# KiCad board EBAZ4205.kicad_pcb (continued)
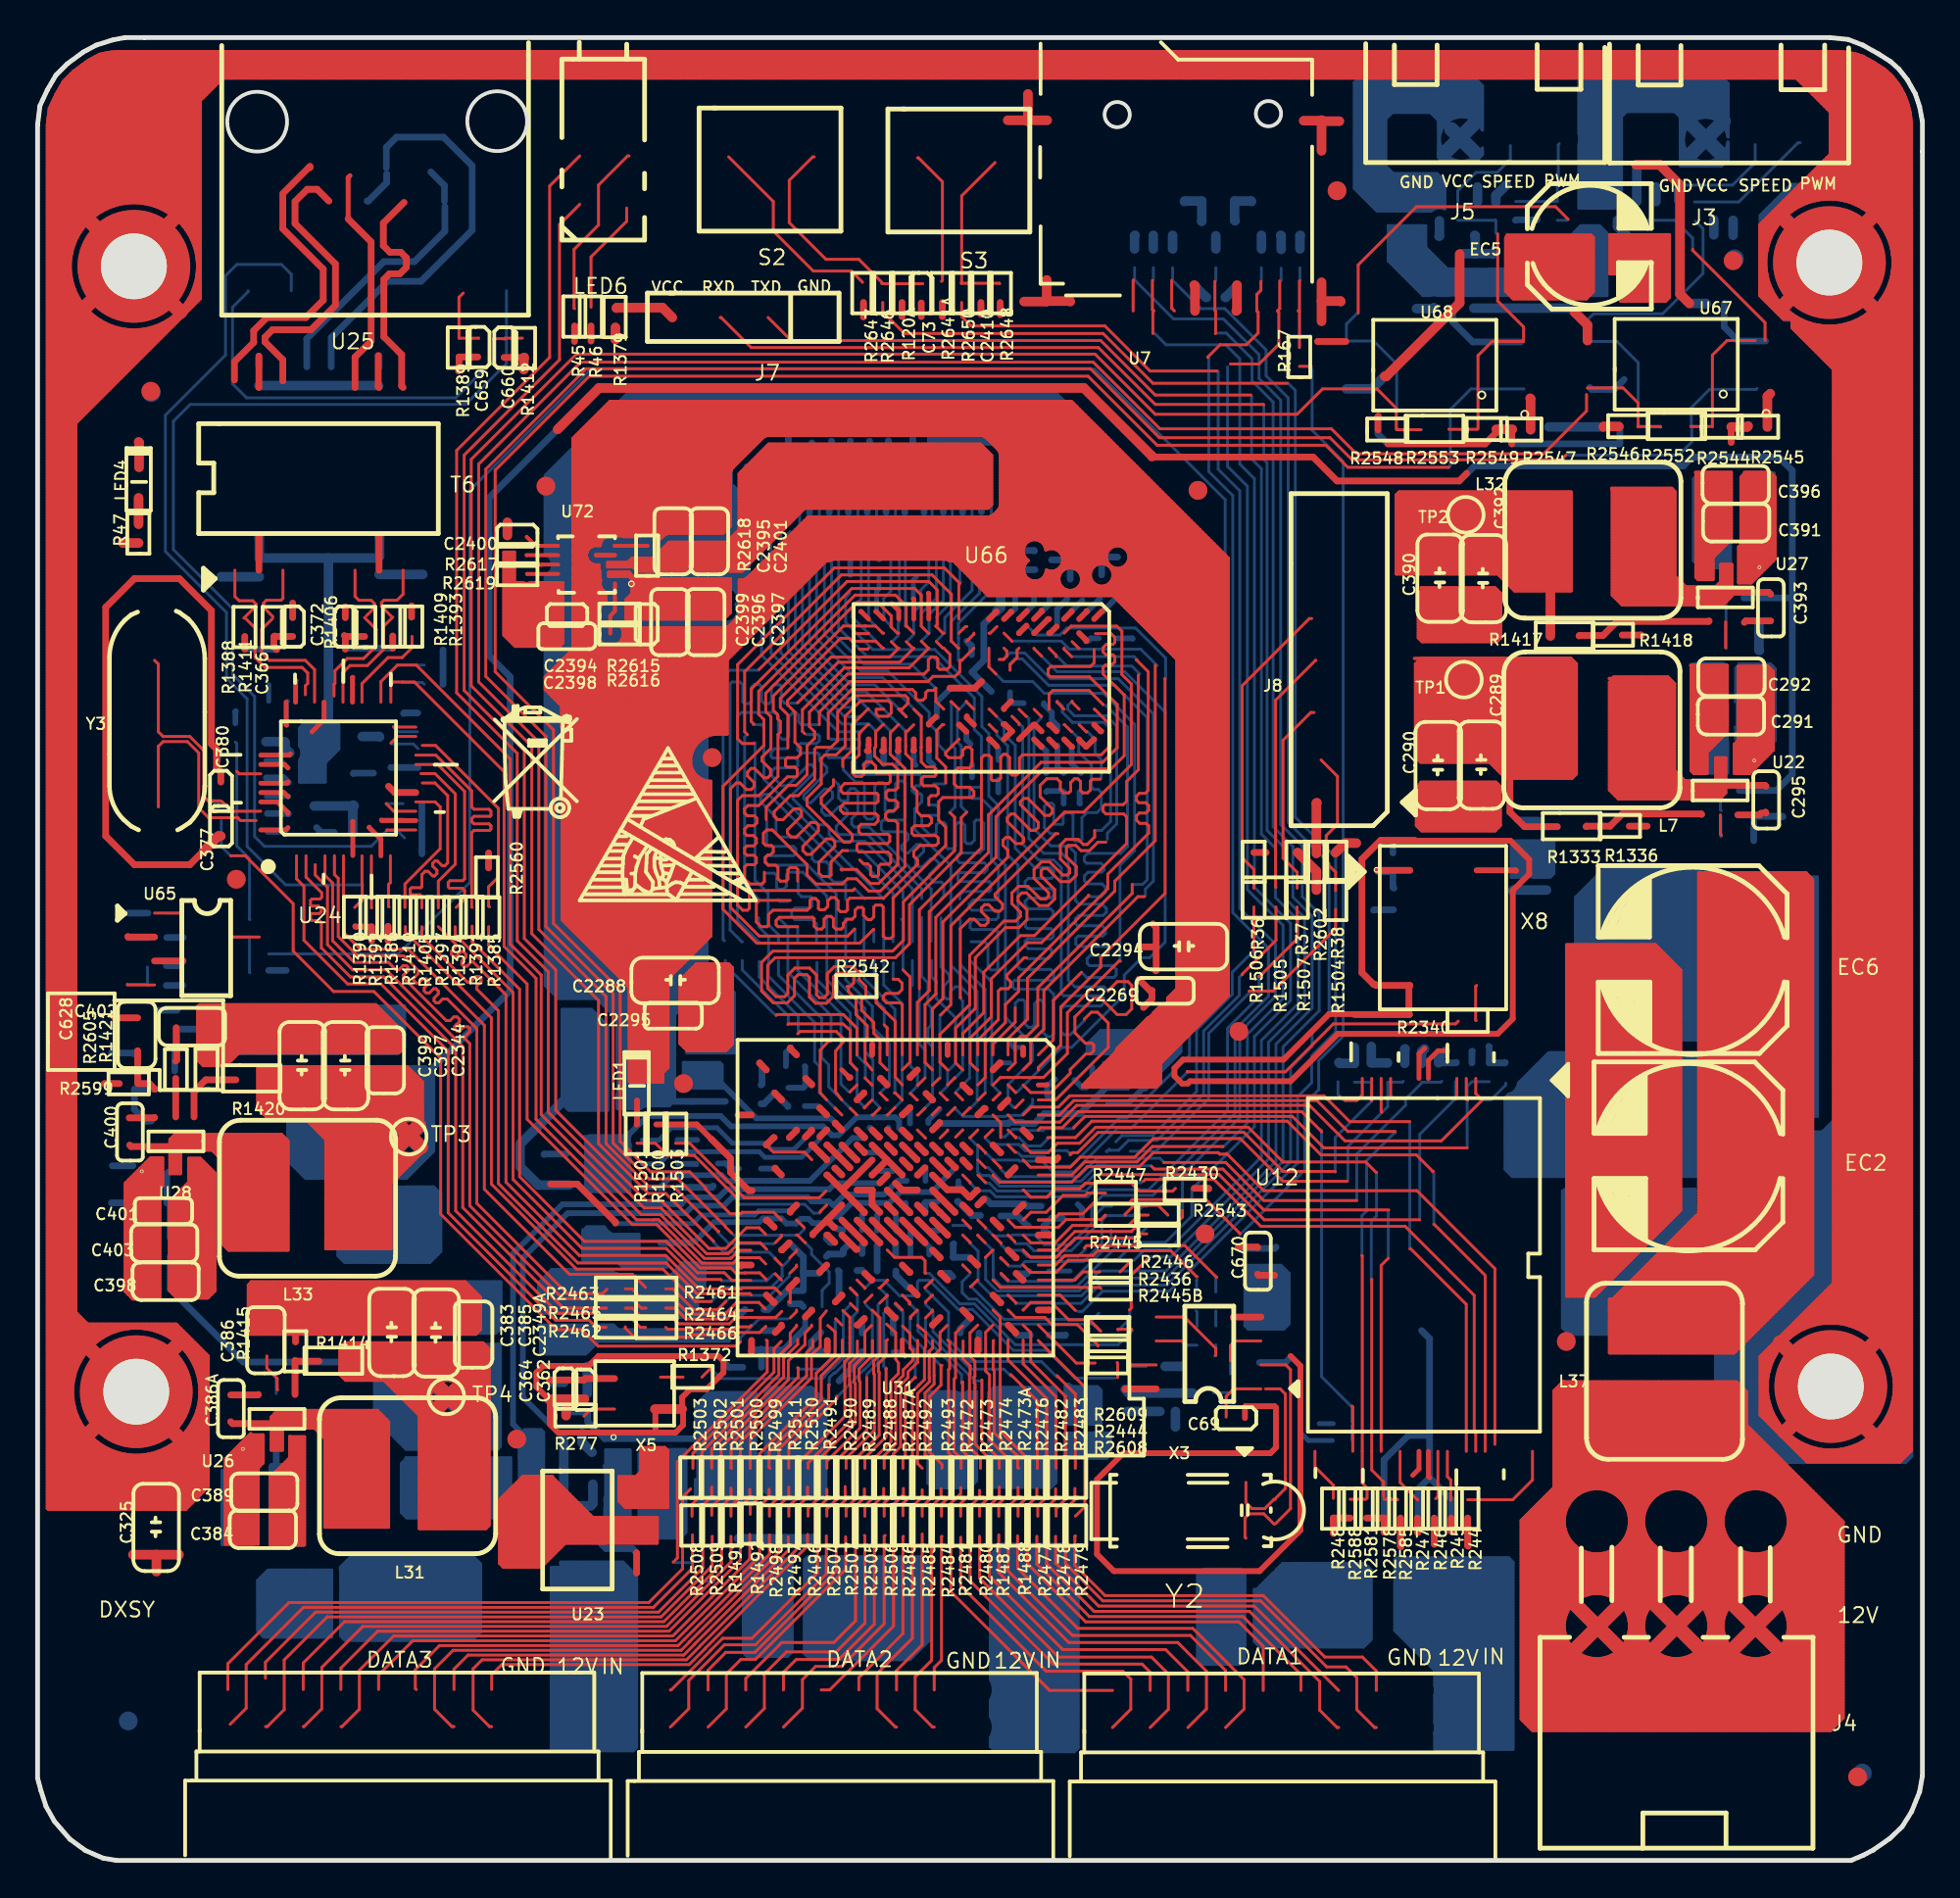
[diagram p0: board, top side]
## Routing (per net, layer and track width the routed paths; a pad name or vN(x,y) marks a point on that pad's centre or on a via; arc(x,y) is an arc through that point) (continued)
; 45.05,38.8 45.05,39.73 ; 47.52,89.94 50.68,89.94 ; 46.2,72.77 46.2,74.41 ; 89.53,59.96 93.12,59.96 ; 54.1,41.17 87.55,41.17 ; 68.74,58.19 69.91,58.19 ; 74.06,7.51 74.43,7.51 ; 9.62,76.56 9.62,96.32 ; 42.16,81.55 59.07,81.55 ; 20.52,88.41 20.73,88.41 ; 46.94,87.78 51.18,87.78 ; 57.75,25.98 57.75,26.16 ; 40.64,52.47 42.47,52.47 ; 65.77,9.8 66.68,9.8 ; 68.4,51.84 82.44,51.84 ; 4.54,29.37 4.54,46.31 ; 55.94,47.26 58.45,47.26 ; 73.11,40.79 75.16,40.79 ; 45.18,26.59 45.18,29.6 ; 17.5,52.25 17.5,70.75 ; 16.99,52.19 16.99,54.97 ; 9.29,91.33 10.27,91.33 ; 57.63,48.27 57.63,69.01 ; 63.87,26.56 79.58,26.56 ; 73.25,34.35 73.25,39 ; 2.84,61.23 10.16,61.23 ; 72.08,78.89 80.32,78.89 ; 49.37,36.38 49.37,36.58 ; 79.04,55.14 93.13,55.14 ; 46.32,47.68 46.32,58.8 ; 46.41,6.5 47.01,6.5 ; 4.92,0.55 4.92,17.49 ; 2.82,67.33 35.2,67.33 ; 20.8,91.01 20.8,96.32 ; 56.74,44.11 56.74,45.96 ; 52.25,90.19 69.9,90.19 ; 30.7,34.32 30.7,80.56 ; 9.75,0.55 9.75,6.28 ; 14.32,0.55 14.32,6.22 ; 13.3,76.56 13.3,82.64 ; 36.1,32.66 38.85,32.66 ; 22.67,24.53 22.87,24.53 ; 53.94,64.37 53.94,65.38 ; 22.53,88.03 27.93,88.03 ; 84.09,52.98 84.25,52.98 ; 52.23,64.79 55.47,64.79 ; 52.17,33.28 52.17,37.33 ; 66.01,14.9 66.01,17.33 ; 41.96,60.6 43.55,60.6 ; 1.9,7.51 9.28,7.51 ; 27.66,36.17 27.66,75.78 ; 37.05,67.25 37.05,81.55 ; 40.82,61.49 43.07,61.49 ; 43.53,9.99 43.53,29.44 ; 18,87.52 19.12,87.52 ; 69.44,9.95 69.44,35.86 ; 27.01,7.51 27.33,7.51 ; 62.83,81.64 62.83,83.7 ; 2.83,66.57 25.37,66.57 ; 65.76,84.27 65.76,92.06 ; 51.28,91.6 51.28,94.44 ; 49.95,34.69 60.54,34.69 ; 2.93,35.07 36.94,35.07 ; 2.85,58.95 39.65,58.95 ; 43.4,54 43.4,60.98 ; 29.42,91.46 30.91,91.46 ; 49.12,37.96 49.12,38.21 ; 18.89,90.97 18.89,96.32 ; 47.56,34.31 48.46,34.31 ; 51.4,37.24 51.4,37.34 ; 45.94,41.04 46.08,41.04 ; 47.64,28.85 49.24,28.85 ; 18.44,14.75 18.73,14.75 ; 9.27,81.17 23.9,81.17 ; 20.49,88.54 20.75,88.54 ; 16.43,6.24 17.86,6.24 ; 80.76,76.09 82.99,76.09 ; 36.28,67.97 48.68,67.97 ; 64.36,33.42 79.66,33.42 ; 4.41,29.37 4.41,46.47 ; 71.47,0.53 71.47,6.18 ; 49.84,55.77 67.31,55.77 ; 37.78,27.71 51.91,27.71 51.91,26.22 ; 69.18,0.53 69.18,6.15 ; 19.04,64.16 21.29,64.16 ; 11.27,84.47 11.27,90.73 ; 68.97,61.62 69.68,61.62 ; 42.01,72.76 42.01,74.45 ; 48.46,45.11 51.74,45.11 ; 29.43,91.45 29.43,96.32 ; 69.95,54.47 69.95,55.37 ; 40.81,26.06 43.96,26.06 ; 10.38,58.3 10.38,60.82 ; 37.94,0.54 37.94,6.21 ; 61.2,20.09 73.81,20.09 ; 61.18,8 61.18,8.12 ; 65.73,8.28 66.72,8.28 ; 20.04,10.02 20.04,37.65 ; 56.16,32.79 72.71,32.79 ; 66.26,83.71 66.99,83.71 ; 78.96,55.73 78.96,80.25 ; 76.17,63.67 76.17,70.73 ; 80.68,76.6 83.07,76.6 ; 57.12,0.53 57.12,6.15 ; 70.79,69.87 72.48,69.87 ; 21.06,8.91 21.25,8.91 ; 16.1,0.55 16.1,6.2 ; 39.85,34.85 39.85,42.91 ; 18.95,14.12 19.11,14.12 ; 59.84,63.77 67.16,63.77 ; 73.25,72.76 73.25,82.23 ; 48.36,56.12 48.36,56.96 ; 75.28,43.35 75.28,60.58 ; 71.09,0.53 71.09,6.16 ; 73.5,71.94 73.5,72.19 ; 68.17,57.22 68.17,57.91 ; 66.59,29.87 79.57,29.87 ; 32.26,87.65 34.16,87.65 ; 56.99,0.53 56.99,6.17 ; 16.73,7.84 16.73,8.39 ; 44.42,66.81 44.42,72.16 ; 64.13,7.26 64.31,7.26 ; 55.98,51.77 55.98,54.54 ; 42.26,39.59 42.26,39.71 ; 21.32,72.28 38.66,72.28 ; 68.23,23.64 79.59,23.64 ; 48.86,72.61 48.86,74.67 ; 80.61,76.65 80.61,78.59 ; 53.35,89.3 69.93,89.3 ; 11.78,82.82 12.92,82.82 ; 71.91,39.9 86.26,39.9 ; 87.73,52.94 87.73,78.14 ; 90.01,75.85 90.01,77.77 ; 21.94,25.54 21.94,64.28 ; 61.95,7.64 62.48,7.64 ; 19.02,40.67 19.02,57.85 ; 39.21,30.09 39.21,30.88 ; 2.8,74.06 8.27,74.06 ; 70.07,24.55 70.07,34.75 ; 50.53,38.12 52.63,38.12 ; 24.12,25.93 27.05,25.93 ; 37.82,73.64 37.82,95.86 ; 58.39,64.27 58.39,83.74 ; 77.06,40.82 77.06,42.97 ; 13.94,84.37 13.94,89.34 ; 75.03,43.49 75.03,60.75 ; 69.82,7.79 69.82,8.33 ; 69.82,0.53 69.82,6.36 ; 58.9,63.41 58.9,63.77 ; 71.22,31.25 71.22,36.23 ; 10.76,7.8 10.76,8.43 ; 22.12,87.52 28.17,87.52 ; 89.12,62.3 89.12,69.81 ; 51.4,60.18 51.4,60.79 ; 55.52,38.88 67.95,38.88 ; 30.96,0.54 30.96,33.59 ; 32.39,88.29 34.08,88.29 ; 2.87,54.63 13.13,54.63 ; 62.1,8.78 62.33,8.78 ; 69,66.44 69.65,66.44 ; 12.54,7.96 12.54,8.27 ; 45.44,26.47 45.44,29.32 ; 9.29,90.83 10.97,90.83 ; 22.26,25.42 26.86,25.42 ; 36.8,25.09 36.8,29.4 ; 19.06,9.29 19.24,9.29 ; 56.89,59.84 88.11,59.84 ; 49.12,41.91 49.12,45.53 ; 28.67,27.75 28.67,41 ; 71.42,63.52 75.41,63.52 ; 41.15,29.1 42.17,29.1 ; 20.42,8.01 20.42,8.21 ; 74.17,9.16 74.33,9.16 ; 23.59,83.7 23.59,90.92 ; 73.03,40.28 75.19,40.28 ; 46.07,27.24 46.07,28.8 ; 66.26,86.88 66.26,92.41 ; 59.44,84.48 60.23,84.48 ; 10.13,76.56 10.13,91.51 ; 36.16,29.99 36.31,29.99 ; 68.34,63.01 70.31,63.01 ; 4.22,76.09 8.27,76.09 ; 29.69,88.54 30.63,88.54 ; 57.5,38.62 57.5,43.57 ; 10.89,94.24 10.89,96.32 ; 36.77,30.88 43.88,30.88 ; 33.69,20.09 59.45,20.09 ; 2.86,57.04 48.08,57.04 ; 4.54,0.61 4.54,17.49 ; 36.42,45.72 36.42,46 ; 87.73,49.32 87.73,49.45 ; 22.45,84.45 22.45,87.85 ; 19.65,39.37 19.65,39.52 ; 19.81,40.15 29.12,40.15 ; 32.74,0.54 32.74,20.67 ; 73.63,82.9 73.63,85.6 ; 40.44,8.53 40.95,8.53 ; 63.88,95.52 69.86,95.52 ; 73.25,69.8 73.25,69.92 ; 21.05,90.91 21.05,96.32 ; 67.66,7.9 67.66,8.23 ; 72.64,38.76 85.1,38.76 ; 46.71,41.13 46.71,46.07 ; 24.23,94.43 24.23,96.32 ; 3.75,1.42 79.68,1.42 ; 1.88,4.34 79.66,4.34 ; 18.41,88.03 18.71,88.03 ; 54.61,61.87 54.69,61.87 ; 36.17,86.89 41.86,86.89 ; 73.13,40.41 75.11,40.41 ; 75.53,63.6 75.53,70.89 ; 68.31,67.33 70.34,67.33 ; 58.82,64.16 67.18,64.16 ; 51.38,66.31 52.3,66.31 ; 18.46,88.29 18.66,88.29 ; 42.01,38.69 42.01,39.95 ; 70.33,57.23 70.33,57.94 ; 44.28,9.8 45.13,9.8 ; 51.28,66 51.28,66.17 ; 73.81,33.8 73.91,33.8 ; 62.33,27 62.33,35.36 ; 46.39,61.23 46.94,61.23 ; 36.29,33.04 38.82,33.04 ; 52.16,25.29 57.55,25.29 ; 22.84,6.5 23.48,6.5 ; 58.52,45.61 58.52,46.52 ; 2.76,2.42 2.76,17.47 ; 51.91,33.27 51.91,37.33 ; 71.85,35.02 71.85,39.6 ; 20.5,88.16 20.74,88.16 ; 57.94,7.64 58.47,7.64 ; 49.32,46.25 56.58,46.25 ; 50.55,74.57 81.01,74.57 ; 62.12,6.88 62.31,6.88 ; 47.36,74.44 48.04,74.44 ; 36.76,24.15 51.9,24.15 ; 19.91,64.02 19.91,70.75 ; 70.71,59.75 70.71,60.45 ; 60.13,7.13 60.29,7.13 ; 37.05,35.17 37.05,36.48 ; 47.4,41.3 47.85,41.3 ; 51.53,8.01 51.53,8.17 ; 20.29,0.54 20.29,6.21 ; 43.66,52.07 43.66,52.89 ; 19.17,58.31 42.47,58.31 ; 47.44,29.36 51.76,29.36 ; 54.45,65.98 54.45,94.11 ; 26,0.54 26,6.21 ; 13.56,0.55 13.56,6.4 ; 45.83,40.53 46.19,40.53 ; 47.59,31.41 47.59,32.76 ; 42.51,9.51 42.51,12.59 ; 48.61,56.16 48.61,57.08 ; 42.17,90.19 45.95,90.19 ; 44.16,64.54 44.42,64.54 ; 41.19,28.72 42.07,28.72 ; 40.88,32.53 42.28,32.53 ; 9.29,94.13 10.68,94.13 ; 64.99,48.71 64.99,53.55 ; 34.26,88.86 34.26,96.23 ; 33.7,19.96 59.48,19.96 ; 22.58,84.47 22.58,88.26 ; 72.01,78.76 80.45,78.76 ; 18.4,88.67 18.73,88.67 ; 41.13,60.22 41.28,60.22 ; 71.49,63.77 88.31,63.77 ; 7.59,46.94 7.59,50.03 ; 52.25,40.53 69.19,40.53 ; 48.96,34.82 49.43,34.82 ; 39.48,82.82 40.82,82.82 ; 51.91,63.71 51.91,64.51 ; 50.35,62.38 75.2,62.38 ; 33.75,8.02 33.75,8.15 ; 88.11,62.89 88.11,63.07 ; 47.5,91.33 50.7,91.33 ; 76.87,71.9 88.27,71.9 ; 47.98,9.97 47.98,25.99 ; 72.36,0.53 72.36,6.8 ; 56.89,36.47 58.71,36.47 ; 40.74,26.5 40.74,28.49 ; 2.12,3.07 79.67,3.07 ; 20.04,0.54 20.04,6.2 ; 71.09,72.27 71.09,76.58 ; 56.66,59.71 67.77,59.71 ; 52.32,37.99 54.72,37.99 ; 44.29,29.11 44.29,29.39 ; 49.88,31.6 49.88,31.77 ; 2.89,47.39 12.83,47.39 ; 47.58,38.63 47.67,38.63 ; 4.41,49.25 4.41,50.35 ; 11.27,94.37 11.27,96.32 ; 2.81,72.41 8.27,72.41 ; 50.13,32.34 50.13,32.61 ; 51.02,61.29 51.02,62.76 ; 2.81,71.9 8.27,71.9 ; 59.63,84.35 60.04,84.35 ; 45.82,72.58 45.82,74.64 ; 54.62,25.93 57.15,25.93 ; 65.43,83.84 65.78,83.84 ; 28.54,0.54 28.54,6.27 ; 50.29,72.79 72.4,72.79 ; 56.61,36.88 56.61,37.65 ; 40.62,9.04 40.77,9.04 ; 46.85,67.46 93.1,67.46 ; 9.29,93.37 10,93.37 ; 22.96,9.57 22.96,23.84 ; 19.15,15.74 19.15,37.91 ; 70.66,82.32 73.1,82.32 ; 4.8,50.82 4.8,69.86 ; 60.93,27.91 60.93,34.21 ; 74.9,9.91 74.9,17.32 ; 57.25,22.37 79.6,22.37 ; 43.91,8 43.91,8.17 ; 43.75,49.3 44.2,49.3 ; 31.85,89 31.85,89.87 ; 53.44,59.67 53.44,60.51 ; 9.24,76.56 9.24,81.1 ; 2.9,45.11 6.08,45.11 ; 54.2,0.53 54.2,25.41 ; 54.71,64.28 54.71,66.27 ; 25.5,94.13 25.5,96.32 ; 58.39,9.49 58.39,26.08 ; 45.18,44.85 45.18,46.71 ; 27.04,9.42 27.3,9.42 ; 47.62,30.5 49.26,30.5 ; 42.22,60.09 43.41,60.09 ; 71.5,66.31 93.1,66.31 ; 45.94,65.15 45.94,65.41 ; 64.03,6.62 64.41,6.62 ; 39.35,75.08 39.8,75.08 ; 71.22,53.06 71.22,55.37 ; 59.66,17.57 59.66,19.63 ; 71.35,40.28 72.52,40.28 ; 55.95,44.47 90.92,44.47 ; 59.53,17.38 59.53,19.82 ; 90.41,75.2 92.62,75.2 ; 35.4,7.99 35.4,8.19 ; 38.48,6.62 38.9,6.62 ; 58.9,93.93 58.9,64.03 67.16,64.03 ; 62.66,35.96 69.35,35.96 ; 54.45,61.36 54.85,61.36 ; 28.67,9.88 28.67,26.98 ; 29.78,40.41 41.46,40.41 ; 17.88,80.41 17.88,87.46 ; 13.18,60.81 13.18,70.75 ; 62.58,7.75 62.58,8.37 ; 53.67,64.41 53.99,64.41 ; 17.37,89.24 17.37,89.73 ; 21.51,89.94 28.36,89.94 ; 51.46,41.17 51.79,41.17 ; 48.41,31.9 49.28,31.9 ; 56.87,66.83 56.87,68.11 ; 71.85,7.77 71.85,8.35 ; 67.28,86.89 67.28,95.87 ; 21.32,70.89 67.38,70.89 ; 12.92,7.61 12.92,8.62 ; 44.23,34.18 45.36,34.18 ; 9.37,56.66 9.37,70.75 ; 19.91,39.95 19.91,63.23 ; 54.2,66.07 54.2,68.92 ; 20.64,38.25 35.49,38.25 ; 51.28,88.7 51.28,89.65 ; 71.49,71.65 72.15,71.65 ; 49.8,65.55 50.68,65.55 ; 10.51,84.17 10.51,91.1 ; 47.52,72.54 47.83,72.54 ; 74.11,6.75 74.38,6.75 ; 78.2,75.71 78.2,81.01 ; 44.12,64.28 51.01,64.28 ; 52.67,38.8 52.67,47.66 ; 72.2,75.59 78.1,75.59 ; 70.2,72.35 70.2,81.99 ; 56.73,60.47 67.83,60.47 ; 2.87,54.5 18.35,54.5 ; 52.29,41.18 52.29,45.09 ; 40.23,51.45 40.23,51.8 ; 63.94,6.5 64.5,6.5 ; 29.75,90.95 30.58,90.95 ; 36.93,25.11 36.93,29.5 ; 46.83,72.63 46.83,74.66 ; 53.74,87.27 61.56,87.27 ; 9.27,82.7 10.83,82.7 ; 29.75,40.28 41.3,40.28 ; 41.15,38.25 41.37,38.25 ; 12.74,8.4 13.52,8.4 ; 58.58,28.09 73.27,28.09 ; 51.28,0.53 51.28,6.29 ; 52.34,31.52 65.68,31.52 ; 46.64,9.04 46.79,9.04 ; 57.88,48.15 57.88,51.81 ; 44.36,40.28 44.5,40.28 ; 48.48,75.08 48.92,75.08 ; 17.05,9.29 17.24,9.29 ; 72.13,9.29 72.35,9.29 ; 54.71,61.89 54.71,63.82 ; 52.42,33.03 52.42,37.56 ; 32.1,88.84 32.1,90.04 ; 16.72,64.28 18.59,64.28 ; 65.52,86.51 65.76,86.51 ; 52.83,24.66 79.59,24.66 ; 16.82,6.5 17.46,6.5 ; 59.15,63.85 59.15,80.94 ; 73.5,61.06 73.5,68.5 ; 69.82,9.77 69.82,23.8 ; 49.8,38.12 50.32,38.12 ; 73.5,17.84 73.5,27.84 ; 73.53,71.65 75.17,71.65 ; 68.42,57.16 68.42,57.97 ; 40.86,13.08 40.86,28.48 ; 11.4,0.55 11.4,6.55 ; 16.61,64.79 16.61,70.75 ; 50.77,40.22 50.77,40.66 ; 65.77,53.61 93.13,53.61 ; 44.28,6.37 45.14,6.37 ; 23.56,83.84 24.07,83.84 ; 84.93,51.94 84.93,78.16 ; 44.23,37.99 45.37,37.99 ; 16.23,64.84 16.23,70.75 ; 52.93,70.07 52.93,86.72 ; 10.12,23.39 35.06,23.39 ; 53.31,64.48 53.31,68.38 ; 45.1,38.76 45.3,38.76 ; 64.47,47.01 64.58,47.01 ; 21.69,64.8 21.69,87.4 ; 47.85,38.8 47.85,38.94 ; 36.51,87.14 41.51,87.14 ; 28.42,91.55 28.42,96.32 ; 77.44,0.52 77.44,42.99 ; 25.59,84.22 57.94,84.22 ; 40.16,8.28 41.23,8.28 ; 45.71,60.35 45.92,60.35 ; 68.68,59.54 68.68,60.66 ; 69.82,59.37 69.82,60.83 ; 42.26,25.54 42.26,28.48 ; 65.37,9.97 65.37,14.44 ; 30.58,34.28 30.58,80.6 ; 10.64,84.29 10.64,91 ; 17.5,0.54 17.5,6.46 ; 53.93,88.54 60.71,88.54 ; 66.15,7.13 66.3,7.13 ; 70.84,50.87 70.84,55.37 ; 18.51,56.64 18.51,57.91 ; 23.97,81.28 23.97,90.77 ; 36.25,6.37 37.11,6.37 ; 42.58,7.39 42.82,7.39 ; 37.27,33.42 40.46,33.42 ; 71.93,9.67 72.56,9.67 ; 31.13,81.05 59.03,81.05 ; 45.18,0.54 45.18,6.34 ; 79.12,55.27 93.13,55.27 ; 2.87,51.96 16.88,51.96 ; 45.44,66.06 45.44,72.13 ; 13.59,55.27 16.38,55.27 ; 46.28,59.71 49.28,59.71 ; 46.07,38.65 46.07,40.68 ; 15.59,7.87 15.59,8.35 ; 58.14,24.79 79.59,24.79 ; 40.24,72.03 40.94,72.03 ; 16.23,76.56 16.23,87.78 ; 49.5,66.06 49.5,72.14 ; 32.2,16.15 33.54,16.15 ; 62.83,7.92 62.83,8.2 ; 89.5,70.49 89.5,71.76 ; 21.18,90.83 21.18,96.32 ; 70.62,82.57 72.98,82.57 ; 50.26,40.38 50.26,40.49 ; 66.26,16.06 66.26,17.45 ; 23.97,8.03 23.97,8.19 ; 2.87,52.34 38.36,52.34 ; 52.29,66.67 52.29,86.7 ; 61.19,17.17 71.41,17.17 ; 12.54,76.56 12.54,90.89 ; 56.99,22.9 56.99,31.79 ; 13.51,47.65 45.74,47.65 ; 86.71,50.09 86.71,50.44 ; 31.08,34.13 31.08,80.74 ; 26.34,19.71 26.53,19.71 ; 49.9,38.76 50.13,38.76 ; 60.8,7.91 60.8,8.22 ; 54.58,61.92 54.58,63.97 ; 83.15,76.65 83.15,78.17 ; 61.18,0.53 61.18,6.15 ; 36.55,36.95 36.55,42.86 ; 21.94,0.54 21.94,6.22 ; 2.9,44.09 28.2,44.09 ; 44.25,39.77 44.55,39.77 ; 39.09,32.41 39.09,32.49 ; 11.05,7.01 11.21,7.01 ; 58.39,52.32 58.39,62.81 ; 9.24,9.38 9.24,17.98 ; 55.6,29.36 55.6,32.29 ; 67.41,0.53 67.41,6.16 ; 70.84,31.28 70.84,32.04 ; 46.2,66.1 46.2,71.98 ; 56.23,60.24 56.23,64.8 ; 4.49,0.66 79.68,0.66 ; 89.25,54.76 89.25,59.48 ; 71.34,72.02 71.34,76.48 ; 48.33,44.72 55.31,44.72 ; 52.46,31.14 61.31,31.14 ; 13.3,47.76 13.3,54.58 ; 13.18,76.56 13.18,82.68 ; 48.12,65.93 49.13,65.93 ; 39.97,51.49 39.97,58.83 ; 76.55,0.53 76.55,40.25 ; 22.7,6.37 23.62,6.37 ; 19.49,14.88 65.39,14.88 ; 42.13,0.54 42.13,6.28 ; 85.82,39.47 85.82,51.62 ; 13.05,76.56 13.05,82.74 ; 2.88,51.2 39.67,51.2 ; 14.95,9.55 15.33,9.55 ; 49.51,66.06 50.97,66.06 ; 43.02,54.14 43.02,57.87 ; 68.42,7.53 68.42,8.6 ; 30.96,34.26 30.96,80.62 ; 1.94,16.4 31.48,16.4 ; 18.77,7.82 18.77,8.41 ; 56.87,60.39 56.87,61.17 ; 43.4,29.99 43.4,30.11 ; 13.94,20.25 13.94,70.75 ; 52.43,40.79 69.34,40.79 ; 49.12,68.37 49.12,72.01 ; 64.87,86.8 64.87,92.27 ; 59.41,84.49 59.41,86.11 ; 44.63,7.01 44.79,7.01 ; 2.81,72.54 8.27,72.54 ; 47.98,42.04 47.98,44.64 ; 37.18,0.54 37.18,6.32 ; 18.51,9.95 18.51,13.83 ; 20.54,9.94 20.54,38.03 ; 52.04,62.01 52.04,63.08 ; 42.6,9.29 42.8,9.29 ; 66.01,9.55 66.44,9.55 ; 47.59,37.01 47.59,37.48 ; 48.44,33.55 49.28,33.55 ; 75.76,8.28 79.65,8.28 ; 43.44,74.57 43.85,74.57 ; 36.04,7.96 36.04,8.22 ; 71.96,6.5 72.52,6.5 ; 2.91,42.95 7.12,42.95 ; 71.5,56.28 93.13,56.28 ; 64.61,9.75 64.61,45.91 ; 6.82,45.11 35.57,45.11 ; 90.22,64.54 93.1,64.54 ; 82.52,51.93 82.52,78.17 ; 21.9,25.55 26.83,25.55 ; 23.85,0.54 23.85,6.25 ; 6.95,29.37 6.95,78.82 ; 47.63,29.61 51.63,29.61 ; 52.03,25.55 53.95,25.55 ; 46.54,8.66 46.89,8.66 ; 45.31,44.77 45.31,46.57 ; 42.3,90.7 45.85,90.7 ; 75.53,40.94 75.53,60.49 ; 51.02,9.68 51.02,30.95 ; 2.86,56.92 13.06,56.92 ; 35.74,23.01 51.86,23.01 ; 61.72,8.28 62.71,8.28 ; 2.88,50.69 4.51,50.69 ; 76.45,40.28 76.53,40.28 ; 35.78,89.55 35.78,96.07 ; 37.05,66.57 44.24,66.57 ; 58.39,28.61 58.39,28.97 ; 33.12,7.84 33.12,8.33 ; 48.36,57.74 48.36,58.58 ; 39.07,55.14 56.01,55.14 ; 47.36,31.64 49.43,31.64 ; 61.82,31.45 61.82,83.56 ; 2.81,70.51 4.36,70.51 ; 59.87,8.4 60.55,8.4 ; 37.32,34.44 39.64,34.44 ; 47.78,90.83 50.42,90.83 ; 68.76,68.35 69.89,68.35 ; 18.96,9.55 19.34,9.55 ; 65.62,77.62 90.17,77.62 ; 61.62,6.24 62.81,6.24 ; 87.47,50.13 87.47,50.47 ; 52.42,24.58 52.42,24.83 ; 47.37,32.53 49.43,32.53 ; 71.49,61.49 73.84,61.49 ; 87.35,50.12 87.35,50.48 ; 36.48,6.62 36.89,6.62 ; 21.81,64.74 21.81,83.21 ; 57.61,69.74 67.57,69.74 ; 60.68,86.78 60.68,88.12 ; 75.79,9.81 75.79,37.66 ; 48.23,39.63 48.23,39.75 ; 58.35,93.24 64.59,93.24 ; 32.23,21.7 32.23,87.61 ; 34.6,9.16 34.76,9.16 ; 52.94,48.28 58.41,48.28 ; 38.59,6.88 38.79,6.88 ; 17.44,90.19 17.63,90.19 ; 64.06,8.66 64.38,8.66 ; 42.25,25.55 43.76,25.55 ; 36.8,91.65 36.8,95.96 ; 60.29,63.14 67.54,63.14 ; 11.91,76.56 11.91,79.73 ; 52.16,91.21 69.89,91.21 ; 67.28,0.53 67.28,6.15 ; 64.23,78.19 64.23,95.56 ; 41.31,12.47 41.46,12.47 ; 47.69,91.08 50.51,91.08 ; 47.85,74.98 47.85,81.92 ; 2.89,47.39 2.89,74.77 ; 42.73,39.77 42.95,39.77 ; 21.32,70.76 67.52,70.76 ; 23.25,82.82 24.37,82.82 ; 65.19,86.89 66.08,86.89 ; 16.73,76.56 16.73,87.86 ; 35.66,82.77 35.66,86.73 ; 66.39,86.81 66.39,92.64 ; 53.25,69.36 53.58,69.36 ; 19.2,89.43 19.96,89.43 ; 36.8,44.9 36.8,45.06 ; 14.04,20.21 25.73,20.21 ; 35.74,23.26 52.33,23.26 ; 40.39,32.15 47.68,32.15 ; 42.26,82.53 42.26,86.75 ; 69.82,72.04 69.82,96.12 ; 14.32,8.03 14.32,8.19 ; 71.22,62.04 71.22,63.23 ; 72.49,43.47 72.49,68.41 ; 43.4,9.95 43.4,12.82 ; 57.75,48.24 57.75,69.1 ; 54.45,55.01 54.45,59 ; 55.34,59.42 55.34,59.84 ; 51.79,40.39 51.79,40.58 ; 50.77,37.12 50.77,37.44 ; 49.49,45.99 56.7,45.99 ; 39.72,32.35 39.72,32.55 ; 26.94,7.64 27.4,7.64 ; 61.17,88.67 70.57,88.67 ; 46.33,27.2 60.81,27.2 ; 46.07,29.83 46.07,30.28 ; 19.51,14.75 65.33,14.75 ; 59.15,32.31 59.15,35.85 ; 58.04,8.66 58.37,8.66 ; 60.08,7.39 60.34,7.39 ; 52.43,31.39 61.46,31.39 ; 2.81,71.14 8.27,71.14 ; 44.53,8.66 44.88,8.66 ; 51.64,32.02 56.96,32.02 ; 71.5,66.44 93.1,66.44 ; 61.2,20.21 73.72,20.21 ; 76.8,40.86 76.8,60.58 ; 46.71,46.73 46.71,58.7 ; 51.28,34.04 51.28,36.48 ; 11.78,94.42 11.78,96.32 ; 38.49,9.55 38.89,9.55 ; 52.67,0.53 52.67,21.6 ; 50.13,37.91 50.13,38.23 ; 43.02,0.54 43.02,6.47 ; 12.99,64.16 16.15,64.16 ; 17.01,8.78 17.28,8.78 ; 46.45,75.08 46.45,86.99 ; 37.76,27.45 37.86,27.45 ; 52.06,62 53.99,62 ; 36.55,33.76 36.55,36.75 ; 43.57,41.8 43.66,41.8 ; 63.8,26.82 79.58,26.82 ; 50.6,62.63 59.69,62.63 ; 16.61,0.55 16.61,6.32 ; 75.92,74.19 75.92,83.3 ; 88.74,62.76 93.11,62.76 ; 16.99,76.56 16.99,87.57 ; 59.64,63.27 59.96,63.27 ; 39.8,82.06 40.5,82.06 ; 30.58,90.96 30.58,96.32 ; 52.43,32.79 55.44,32.79 ; 67.51,14.37 79.63,14.37 ; 58.12,8.91 58.29,8.91 ; 71.24,67.08 93.1,67.08 ; 13.81,18.18 13.81,19.48 ; 71.09,50.97 71.09,52.34 ; 64.61,0.53 64.61,6.38 ; 10.12,23.64 35.14,23.64 ; 12.92,9.58 12.92,17.69 ; 60.04,84.34 60.04,86.34 ; 21.32,72.79 41.03,72.79 ; 58.52,7.7 58.52,8.43 ; 40.94,38.88 41.48,38.88 ; 63.14,37.61 75.84,37.61 ; 26.98,9.55 27.36,9.55 ; 57.87,25.67 79.58,25.67 ; 50.39,34.06 50.39,34.83 ; 34.51,7.51 34.85,7.51 ; 37.43,0.54 37.43,6.21 ; 1.89,5.99 79.66,5.99 ; 9.28,83.21 10.34,83.21 ; 56.87,54.59 56.87,57.31 ; 68.29,69.87 70.36,69.87 ; 35.53,29.98 35.53,32.87 ; 19.1,39.64 19.21,39.64 ; 89.38,60.18 89.38,61.63 ; 35.91,89.52 35.91,90.22 ; 54.26,68.98 67.15,68.98 ; 43.92,53.61 64.98,53.61 ; 2.81,72.28 8.27,72.28 ; 13.3,93.49 22.83,93.49 ; 49.32,74.44 50.16,74.44 ; 2.84,63.01 19.16,63.01 ; 36.34,89.3 41.68,89.3 ; 56.24,64.92 89.68,64.92 ; 52.98,21.74 55.88,21.74 ; 41.2,60.09 41.44,60.09 ; 43.73,88.92 44.38,88.92 ; 47.62,32.91 49.23,32.91 ; 51.15,0.53 51.15,6.37 ; 62.96,0.53 62.96,6.18 ; 44.16,64.41 53.18,64.41 ; 47.28,72.03 48.07,72.03 ; 59.66,36.85 59.83,36.85 ; 46.96,37.94 46.96,38.21 ; 75.28,72.02 75.28,73.8 ; 4.87,48.79 10.12,48.79 ; 70.46,43.2 72.38,43.2 ; 48.52,74.57 48.93,74.57 ; 88.76,62.5 93.11,62.5 ; 65.48,83.97 65.72,83.97 ; 35.43,67.33 36.3,67.33 ; 50.64,33.2 50.64,33.33 ; 71.09,57.23 71.09,58.06 ; 47.8,90.57 50.4,90.57 ; 20.58,8.28 21.73,8.28 ; 74.52,61.73 74.52,84.7 ; 50.13,33.91 50.13,34.93 ; 2.91,42.82 28.33,42.82 ; 45.82,65.78 45.82,72.17 ; 49.94,28.6 58.04,28.6 ; 41.37,38.8 41.37,39.75 ; 8.99,29.37 8.99,30.02 ; 42.06,12.47 79.63,12.47 ; 50.47,8.53 50.97,8.53 ; 49.12,65.92 49.12,67.58 ; 36.8,43.07 39.7,43.07 ; 48.42,33.8 49.28,33.8 ; 76.68,61.88 76.68,62.33 ; 67.56,13.74 79.63,13.74 ; 50.9,31.36 50.9,31.9 ; 44.18,59.96 44.26,59.96 ; 66.64,30.25 79.57,30.25 ; 10.12,21.99 32.43,21.99 ; 88.74,42.33 88.74,59.55 ; 74.26,34.24 74.26,36.28 ; 49.25,34.58 49.25,36.73 ; 66.79,78.89 71.32,78.89 ; 54.55,26.06 57.31,26.06 ; 30.45,34.18 30.45,80.7 ; 44.39,31.39 46.85,31.39 ; 86.46,52.89 86.46,78.15 ; 20.29,39.23 20.29,63.57 ; 85.82,51.65 85.82,78.15 ; 48.1,75.18 48.1,81.78 ; 71.46,69.24 72.23,69.24 ; 62.13,9.16 62.3,9.16 ; 38.11,73.05 88.31,73.05 ; 56.22,65.04 93.1,65.04 ; 36.78,24.28 52.29,24.28 ; 17.11,0.54 17.11,51.57 ; 36.49,89.17 41.53,89.17 ; 26.76,65.3 43.21,65.3 ; 58.47,31.64 58.75,31.64 ; 90.27,75.84 91.98,75.84 ; 88.87,71.22 88.87,71.39 ; 74.39,61.82 74.39,84.83 ; 54.58,26.02 54.58,37.54 ; 9.28,82.95 10.49,82.95 ; 68.28,51.33 82.53,51.33 ; 71.24,58.19 93.12,58.19 ; 19.07,9.16 19.23,9.16 ; 77.06,61.7 77.06,82.16 ; 71.85,75.79 71.85,78.64 ; 16.87,9.67 17.42,9.67 ; 36.92,88.03 41.1,88.03 ; 48.36,41.06 48.36,41.44 ; 49.63,66.01 49.63,94.61 ; 71.12,65.68 93.1,65.68 ; 76.43,40.66 76.53,40.66 ; 45.31,34.74 45.31,35.85 ; 17.24,9.3 17.24,51.53 ; 29.69,0.54 29.69,33.21 ; 26.26,10.02 26.26,19.64 ; 19.27,63.09 19.27,64.4 ; 44.55,89.12 44.55,95.15 ; 46.07,7.95 46.07,8.22 ; 7.97,34.16 7.97,46.27 ; 71.49,69.11 72.3,69.11 ; 54.07,62.05 54.07,63.7 ; 2.92,37.61 43.61,37.61 ; 89.43,62.12 93.11,62.12 ; 50.26,41.21 50.26,62.36 ; 68.42,72.36 68.42,95.98 ; 22.7,9.85 22.7,82.62 ; 44.6,49.93 58.96,49.93 